# KiCad board FrontEnd_5G.kicad_pcb
title: FrontEnd_5G; date: 2022-03-03; rev: 1v0; company: Lime Microsystems
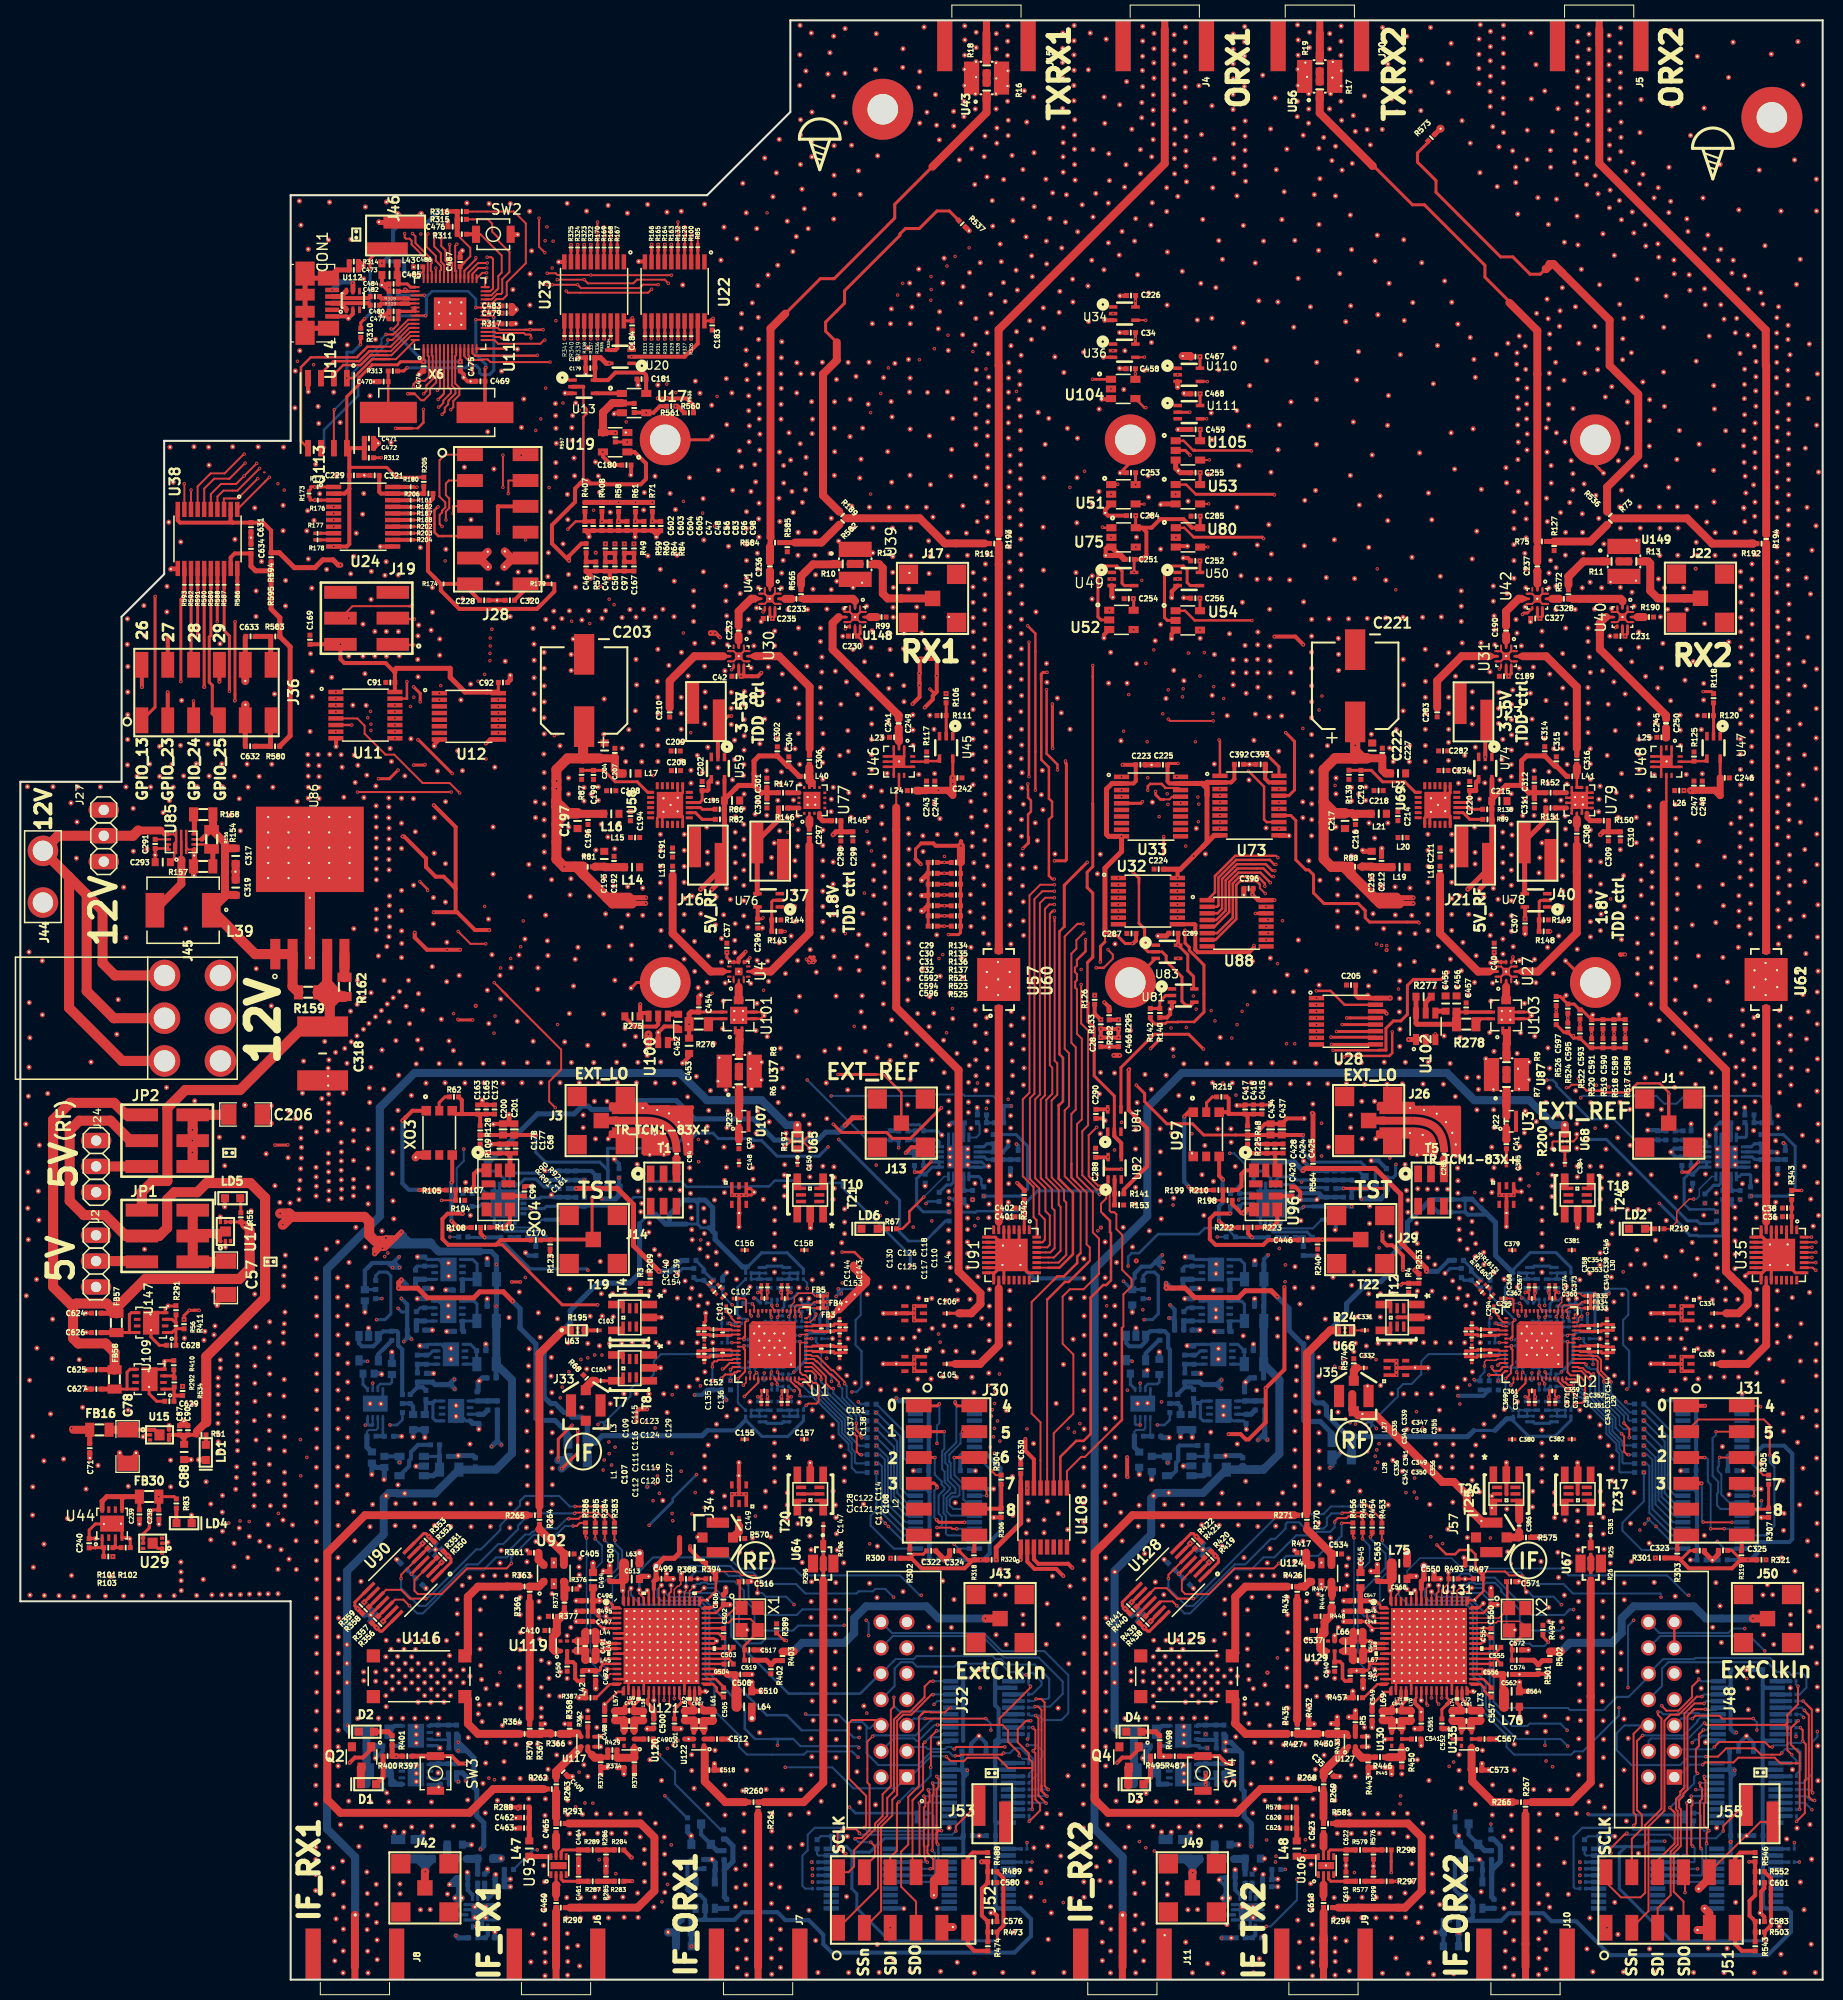
[diagram p0: board, top side]
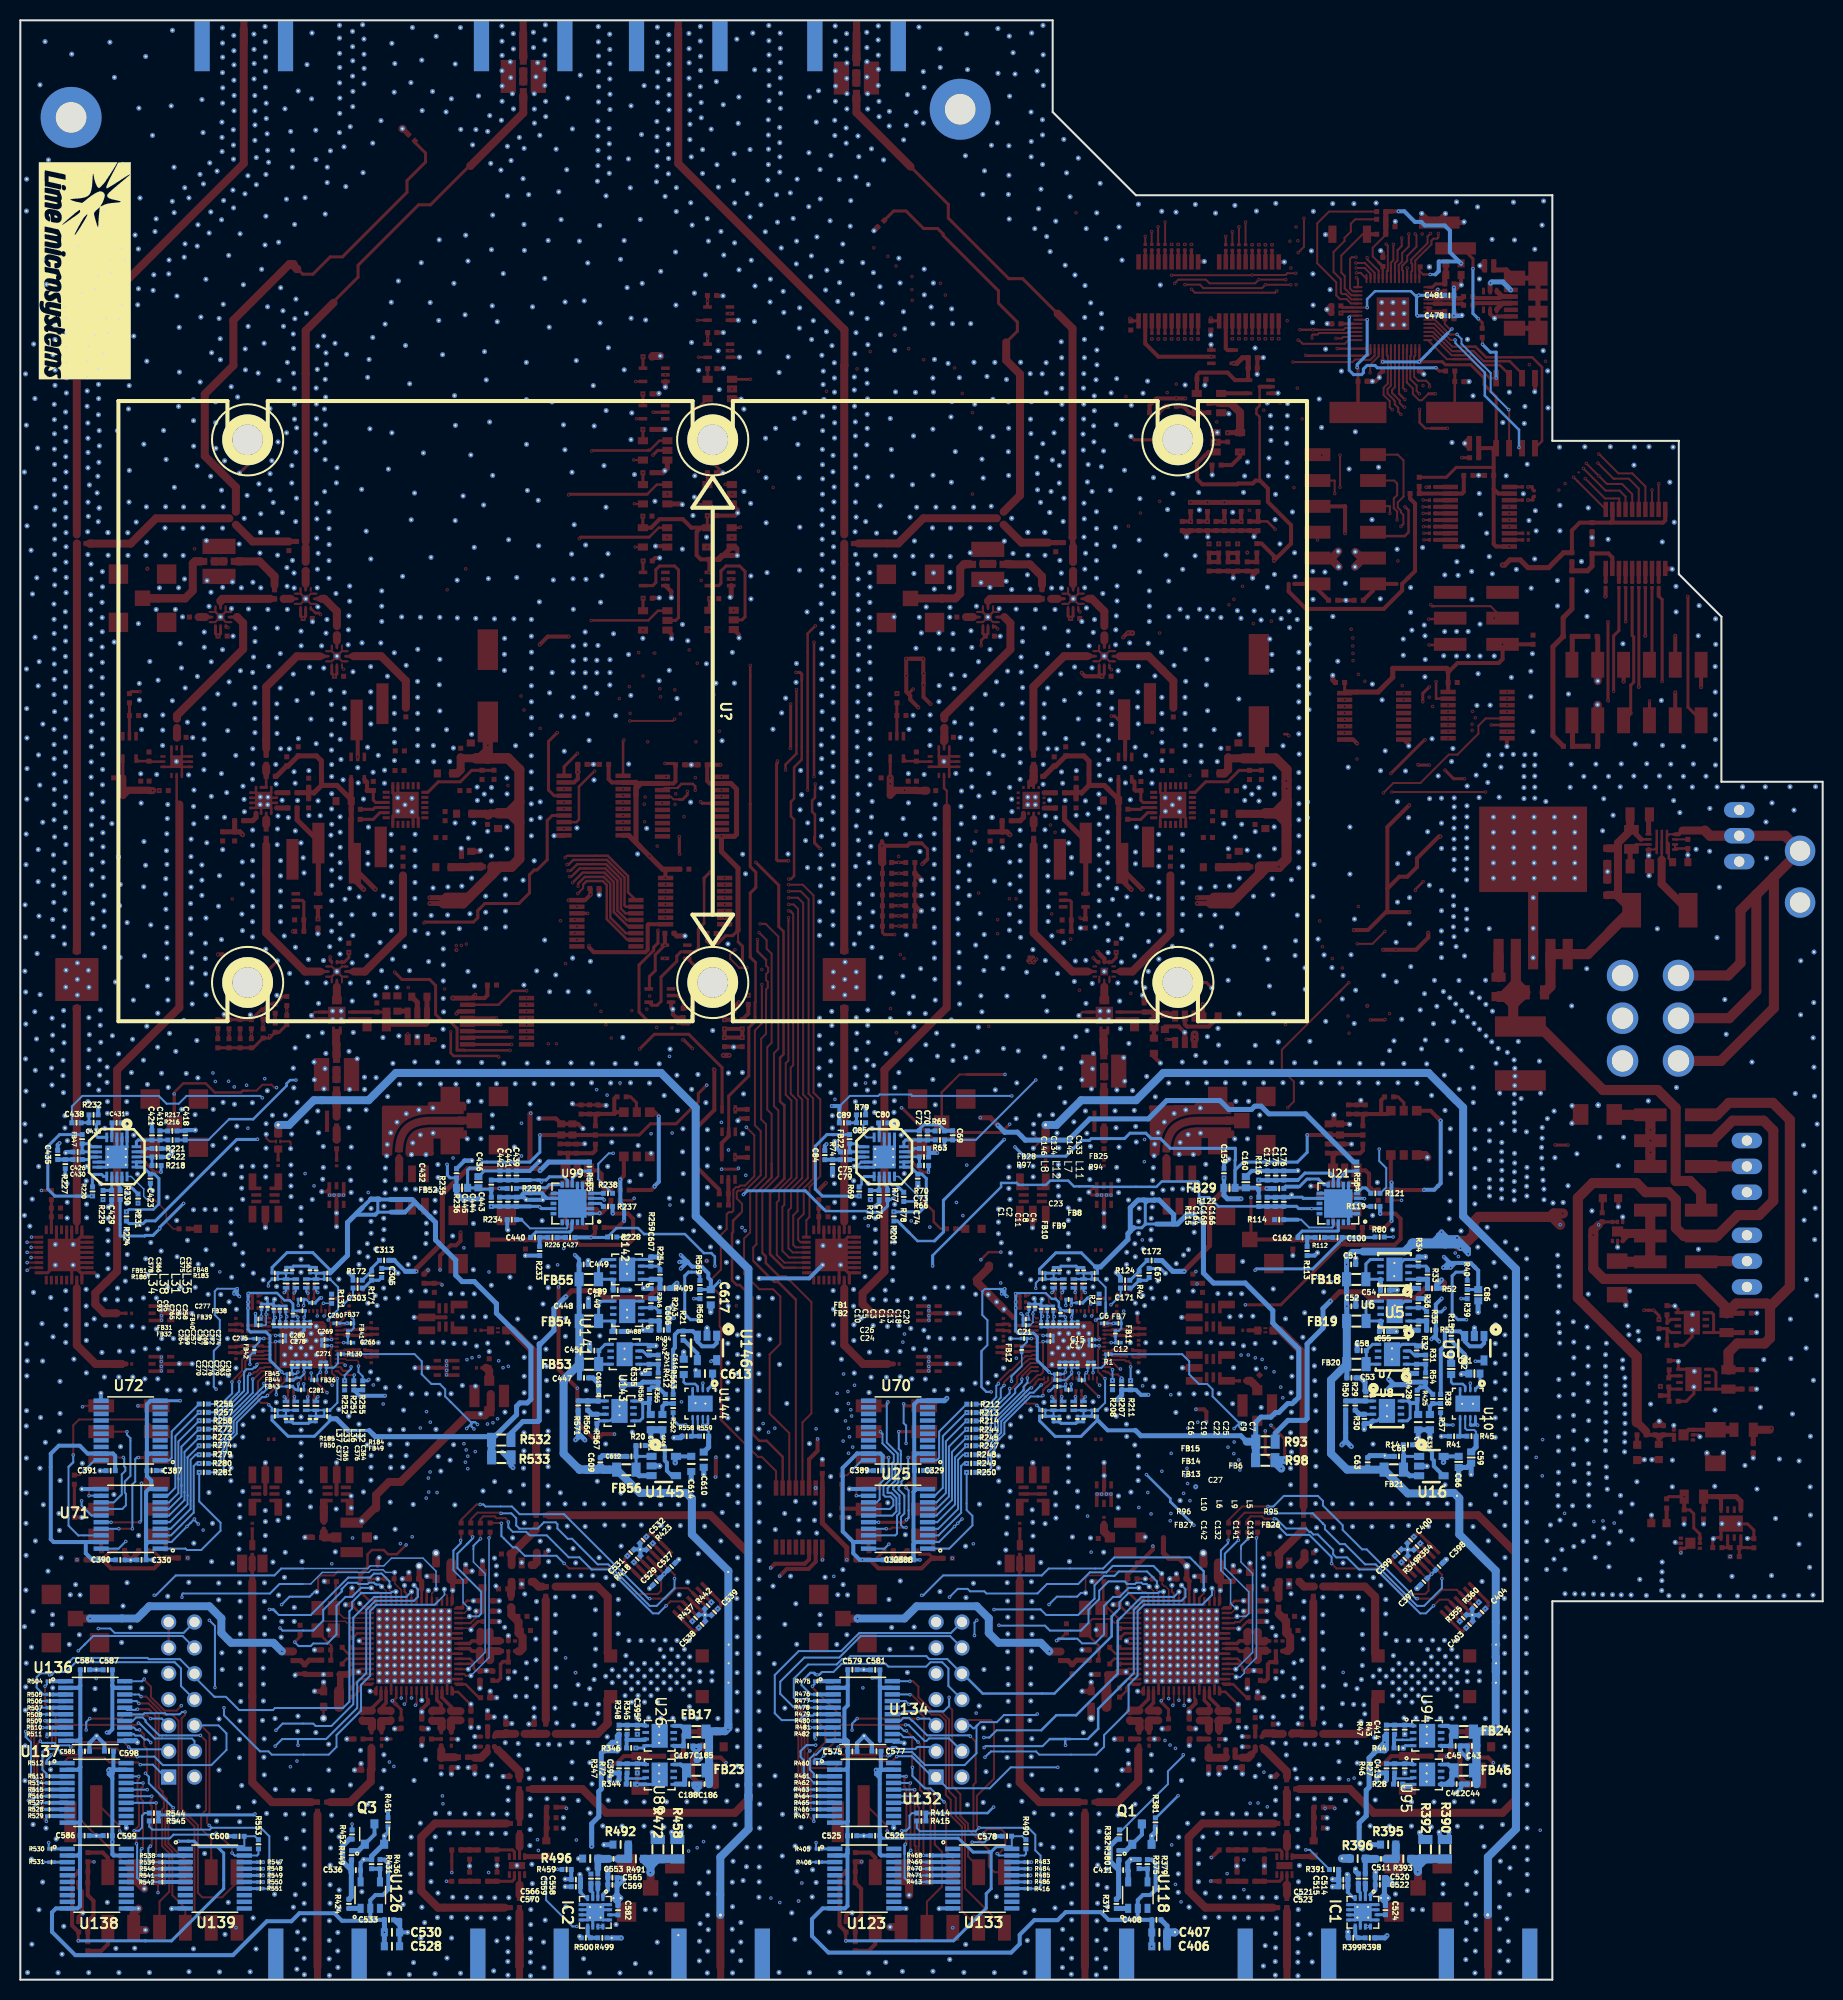
[diagram p1: board, bottom side, seen from below]

Outline 177.17 x 192.58 mm; copper layers: F.RO, B.RO, F.FR4, B.FR4, F2.RO, B2.RO (plane). Coordinates in mm from the lower left corner of the outline.
Outline path: 0,117.74 0,37.19 26.57,37.19 26.57,0 177.17,0 177.17,192.58 75.69,192.58 75.69,183.57 67.51,175.39 26.57,175.39 26.57,151.25 14.14,151.25 14.14,138.15 9.95,133.96 9.95,117.74 0,117.74

## Placement (name value [footprint] x y rotation side)
C1  1UF_0201_TDK_X5R  [SMD0201]  78.02 66.13 90 bottom
C2  1UF_0201_TDK_X5R  [SMD0201]  77.42 66.13 90 bottom
C3  1UF_0201_TDK_X5R  [SMD0201]  75.62 64.43 270 bottom
C4  1NF_0201  [SMD0201]  75.62 65.93 90 bottom
C5  1UF_0201_TDK_X5R  [SMD0201]  76.22 64.43 270 bottom
C6  1UF_0201_TDK_X5R  [SMD0201]  70.63 64.51 0 bottom
C7  1UF_0201_TDK_X5R  [SMD0201]  71.63 60.43 90 bottom
C8  1NF_0201  [SMD0201]  76.22 65.93 90 bottom
C9  1UF_0201_TDK_X5R  [SMD0201]  72.23 60.43 90 bottom
C10  1NF_0201  [SMD0201]  76.82 64.43 270 bottom
C11  1UF_0201_TDK_X5R  [SMD0201]  76.82 65.93 90 bottom
C12  1UF_0201_TDK_X5R  [SMD0201]  69.23 62.61 180 bottom
C13  1UF_0201_TDK_X5R  [SMD0201]  74.42 64.43 270 bottom
C14  1NF_0201  [SMD0201]  75.02 64.43 270 bottom
C15  1UF_0201_TDK_X5R  [SMD0201]  71.83 62.91 0 bottom
C16  1UF_0201_TDK_X5R  [SMD0201]  75.03 60.43 90 bottom
C17  1UF_0201_TDK_X5R  [SMD0201]  71.83 62.31 0 bottom
C18  1UF_0201_TDK_X5R  [SMD0201]  73.82 64.43 270 bottom
C19  1NF_0201  [SMD0201]  74.43 60.43 90 bottom
C20  1NF_0201  [SMD0201]  73.22 64.43 270 bottom
C21  1UF_0201_TDK_X5R  [SMD0201]  78.5 63.01 0 bottom
C22  1UF_0201_TDK_X5R  [SMD0201]  73.83 60.43 90 bottom
C23  1UF_0201_TDK_X5R  [SMD0201]  74.13 66.85 0 bottom
C24  1UF_0201_TDK_X5R  [SMD0201]  75.92 62.73 180 bottom
C25  1NF_0201  [SMD0201]  73.23 60.43 90 bottom
C26  1UF_0201_TDK_X5R  [SMD0201]  75.92 63.33 180 bottom
C27  1UF_0201_TDK_X5R  [SMD0201]  74.14 57.97 180 bottom
C28  10nF_0402  [SMD0402]  106.21 92.15 90 top
C29  10nF_0402  [SMD0402]  89.69 109.81 0 top
C30  10nF_0402  [SMD0402]  89.69 108.74 0 top
C31  10nF_0402  [SMD0402]  89.69 107.67 0 top
C32  10nF_0402  [SMD0402]  89.69 106.61 0 top
C33  10UF_0603  [SMD0603#2]  38.61 54.8 270 bottom
C34  10nF_0402  [SMD0402]  109.16 161.89 0 top
C35  NF_10pF_0402_GJM1555C1H100GB01D  [SMD0402]  128.79 20.35 135 top
C36  470pF_0402_GRM1555C1H471JA01D  [SMD0402]  173.67 74.99 180 top
C37  10nF_0402  [SMD0402]  69.45 101.42 270 top
C38  47nF_0402_GCM155R71H473KE02D  [SMD0402]  173.67 75.84 180 top
C39  5pF_0402_CBR04C509C5GAC  [SMD0402]  70.64 82.12 90 top
C40  10nF_0402  [SMD0402]  144.89 101.43 270 top
C41  5pF_0402_CBR04C509C5GAC  [SMD0402]  146.08 82.12 90 top
C42  10nF_0402  [SMD0402]  70.4 128.11 0 top
C43  1UF_0402  [SMD0402]  34.48 22.97 0 bottom
C44  1UF_0402  [SMD0402]  34.48 19.22 0 bottom
C45  1UF_0402  [SMD0402]  36.08 22.97 180 bottom
C46  1nF_0402  [SMD0402]  55.62 138.9 270 top
C47  1nF_0402  [SMD0402]  58.81 142.88 270 top
C48  10nF_0402  [SMD0402]  59.64 142.88 270 top
C49  1nF_0402  [SMD0402]  57.51 138.9 270 top
C50  10nF_0402  [SMD0402]  58.45 138.9 270 top
C51  1UF_0402  [SMD0402]  46.35 70.3 180 bottom
C52  1UF_0402  [SMD0402]  46.33 66.19 180 bottom
C53  1UF_0402  [SMD0402]  46.32 59.15 180 bottom
C54  1UF_0402  [SMD0402]  43.01 67.76 180 bottom
C55  1UF_0402  [SMD0402]  43.12 63.72 180 bottom
C56  1nF_0402  [SMD0402]  60.47 142.88 270 top
C57  10UF_1206  [SMD1206]  20.2 68.98 270 top
C58  1UF_0402  [SMD0402]  45.31 61.83 0 bottom
C59  1UF_0603  [SMD0603]  34.55 51.32 90 bottom
C60  4.7UF_0402  [SMD0402]  44.9 57.33 90 bottom
C61  4.7UF_0402  [SMD0402]  39.92 60.04 270 bottom
C62  4.7UF_0402  [SMD0402]  39.73 68.39 270 bottom
C63  1UF_0402  [SMD0402]  44.72 50.85 90 bottom
C64  4.7UF_0402  [SMD0402]  39.75 64.29 270 bottom
C65  1UF_0402  [SMD0402]  41.65 51.43 0 bottom
C66  10UF_0603  [SMD0603]  35.78 50.89 270 bottom
C67  100NF_0402  [SMD0402]  66.21 69.46 90 bottom
C68  1NF_0402  [SMD0402]  48.69 81.69 90 top
C69  1.2NF_0402  [SMD0402]  85.52 82.99 90 bottom
C70  470NF_0402  [SMD0402]  88.01 82.98 90 bottom
C71  100nF_0402_GRM155R71C104KA88J  [SMD0402]  6.82 52.24 270 top
C72  68NF_0402  [SMD0402]  88.79 82.98 90 bottom
C73  100NF_0402  [SMD0402]  88.34 80.86 0 bottom
C74  100NF_0402  [SMD0402]  88.95 78.73 90 bottom
C75  100NF_0402  [SMD0402]  96.1 81.35 0 bottom
C76  10PF_0402  [SMD0402]  92.75 77.12 270 bottom
C77  10UF_0603  [SMD0603#2]  39.76 54.8 270 bottom
C78  10UF_1206  [SMD1206]  10.54 52.4 270 top
C79  100NF_0402  [SMD0402]  96.1 80.6 180 bottom
C80  220PF_0402  [SMD0402]  92.35 84.21 180 bottom
C81  10UF_0603  [SMD0603]  34.23 59.57 0 bottom
C82  1UF_0603  [SMD0603]  36.52 60.03 270 bottom
C83  10nF_0402  [SMD0402]  61.3 142.88 270 top
C84  100NF_0402  [SMD0402]  98.09 81.05 270 bottom
C85  100NF_0402  [SMD0402]  94.53 84.23 180 bottom
C86  10UF_0603  [SMD0603]  33.86 67.27 270 bottom
C87  100nF_0402_GRM155R71C104KA88J  [SMD0402]  15.65 54 90 top
C88  10uF_0603_GRM188R61E106KA73J  [SMD0603#2]  16.1 51.87 270 top
C89  100NF_0402  [SMD0402]  96.21 84.22 180 bottom
C90  1uF_0402_CC0402ZRY5V5BB105  [SMD0402]  16.47 54 90 top
C91  10nF_0402  [SMD0402]  36.37 127.5 180 top
C92  10nF_0402  [SMD0402]  47.44 127.5 0 top
C93  1UF_0201_TDK_X5R  [SMD0201]  153.47 66.13 90 bottom
C94  10PF_0201  [SMD0201]  64.51 81.18 270 top
C95  1UF_0201_TDK_X5R  [SMD0201]  152.87 66.13 90 bottom
C96  1nF_0402  [SMD0402]  62.13 142.88 270 top
C97  1nF_0402  [SMD0402]  59.37 138.9 270 top
C98  10nF_0402  [SMD0402]  62.95 142.88 270 top
C99  18NF_0402  [SMD0402]  49.56 77.47 90 top
C100  100NF_0402  [SMD0402]  47.69 72.95 180 bottom
C101  10PF_0201  [SMD0201]  69.39 65.95 270 top
C102  10PF_0201  [SMD0201]  70.35 66.95 0 top
C103  10pF_0201_GJM0335C1E100JB01D  [SMD0201]  56.73 63.82 0 top
C104  10pF_0201_GJM0335C1E100JB01D  [SMD0201]  57.05 58.86 0 top
C105  2.3pF_0201_GJM0335C1E2R3BB01D  [SMD0201]  91.06 60.52 180 top
C106  2.3pF_0201_GJM0335C1E2R3BB01D  [SMD0201]  91.07 65.49 180 top
C107  C_NF  [SMD0201]  67.23 61.51 270 top
C108  C_NF  [SMD0201]  80.54 61.91 90 top
C109  C_NF  [SMD0201]  67.23 63.71 270 top
C110  C_NF  [SMD0201]  80.54 64.11 90 top
C111  C_NF  [SMD0201]  67.23 62.11 270 top
C112  C_NF  [SMD0201]  67.23 60.91 270 top
C113  0.9pF_0201_GJM0335C1ER90BB01D  [SMD0201]  80.54 61.31 90 top
C114  0.9pF_0201_GJM0335C1ER90BB01D  [SMD0201]  80.54 62.51 90 top
C115  C_NF  [SMD0201]  67.23 64.31 270 top
C116  C_NF  [SMD0201]  67.23 63.11 270 top
C117  0.9pF_0201_GJM0335C1ER90BB01D  [SMD0201]  80.54 63.51 90 top
C118  0.9pF_0201_GJM0335C1ER90BB01D  [SMD0201]  80.53 64.72 90 top
C119  2.3pF_0201_GJM0335C1E2R3BB01D  [SMD0201]  68.13 61.91 0 top
C120  2.3pF_0201_GJM0335C1E2R3BB01D  [SMD0201]  68.13 61.31 0 top
C121  0.5pF_0201_GJM0335C1ER50BB01D  [SMD0201]  79.64 61.71 180 top
C122  0.5pF_0201_GJM0335C1ER50BB01D  [SMD0201]  79.64 62.31 180 top
C123  2.3pF_0201_GJM0335C1E2R3BB01D  [SMD0201]  68.13 63.91 0 top
C124  2.3pF_0201_GJM0335C1E2R3BB01D  [SMD0201]  68.13 63.31 0 top
C125  0.5pF_0201_GJM0335C1ER50BB01D  [SMD0201]  79.63 63.71 180 top
C126  0.5pF_0201_GJM0335C1ER50BB01D  [SMD0201]  79.63 64.31 180 top
C127  0.6pF_0201_GJM0335C1ER60BB01D  [SMD0201]  69.03 61.61 270 top
C128  C_NF  [SMD0201]  78.74 62.01 90 top
C129  0.6pF_0201_GJM0335C1ER60BB01D  [SMD0201]  69.03 63.61 270 top
C130  C_NF  [SMD0201]  78.74 64.01 90 top
C131  1UF_0201_TDK_X5R  [SMD0201]  72.66 55.1 270 bottom
C132  1UF_0201_TDK_X5R  [SMD0201]  75.02 55.1 270 bottom
C133  1UF_0201_TDK_X5R  [SMD0201]  72.65 69.72 90 bottom
C134  1UF_0201_TDK_X5R  [SMD0201]  75.01 69.72 90 bottom
C135  10pF_0201_GJM0335C1E100JB01D  [SMD0201]  72.85 56.78 270 top
C136  10pF_0201_GJM0335C1E100JB01D  [SMD0201]  73.43 56.78 270 top
C137  10pF_0201_GJM0335C1E100JB01D  [SMD0201]  74.83 56.78 270 top
C138  10pF_0201_GJM0335C1E100JB01D  [SMD0201]  75.43 56.78 270 top
C139  10pF_0201_GJM0335C1E100JB01D  [SMD0201]  73.44 68.04 90 top
C140  10pF_0201_GJM0335C1E100JB01D  [SMD0201]  72.84 68.04 90 top
C141  1NF_0201  [SMD0201]  73.26 55.1 270 bottom
C142  1NF_0201  [SMD0201]  75.62 55.1 270 bottom
C143  10pF_0201_GJM0335C1E100JB01D  [SMD0201]  75.42 68.04 90 top
C144  10pF_0201_GJM0335C1E100JB01D  [SMD0201]  74.83 68.05 90 top
C145  1NF_0201  [SMD0201]  73.25 69.72 90 bottom
C146  1NF_0201  [SMD0201]  75.61 69.72 90 bottom
C147  10pF_0201_GJM0335C1E100JB01D  [SMD0201]  78.93 44.58 270 top
C148  10pF_0201_GJM0335C1E100JB01D  [SMD0201]  70.64 80.27 90 top
C149  10pF_0201_GJM0335C1E100JB01D  [SMD0201]  70.65 45.16 270 top
C150  10pF_0201_GJM0335C1E100JB01D  [SMD0201]  76.39 80.29 90 top
C151  C_NF  [SMD0201]  75.13 57.87 0 top
C152  C  [SMD0201]  73.13 57.88 0 top
C153  C_NF  [SMD0201]  75.14 66.95 180 top
C154  C_NF  [SMD0201]  73.14 66.95 180 top
C155  1.9nH_0201_LQP03TN1N9B02D  [SMD0201]  71.2 53.11 0 top
C156  1.9nH_0201_LQP03TN1N9B02D  [SMD0201]  71.21 71.71 180 top
C157  C_NF  [SMD0201]  77.06 53.11 0 top
C158  C_NF  [SMD0201]  77.06 71.71 180 top
C159  100NF_0402  [SMD0402]  58.85 79.26 270 bottom
C160  10UF_0603  [SMD0603]  56.7 78.38 90 bottom
C161  0.4PF_0201  [SMD0201]  69.17 67.18 45 top
C162  100NF_0402  [SMD0402]  51.13 72.95 180 bottom
C163  1NF_0402  [SMD0402]  44.96 85.53 90 top
C164  100NF_0402  [SMD0402]  54.62 76.45 90 bottom
C165  10NF_0402  [SMD0402]  45.78 85.53 270 top
C166  1NF_0402  [SMD0402]  52.97 76.46 270 bottom
C167  10nF_0402  [SMD0402]  60.32 138.9 270 top
C168  10NF_0402  [SMD0402]  53.8 76.45 90 bottom
C169  10nF_0402  [SMD0402]  28.47 131.7 90 top
C170  100NF_0402  [SMD0402]  50.67 72.7 180 top
C171  100NF_0402  [SMD0402]  68.57 67.98 0 bottom
C172  100NF_0402  [SMD0402]  65.96 70.69 0 bottom
C173  100NF_0402  [SMD0402]  46.61 85.53 270 top
C174  1NF_0402  [SMD0402]  54.58 79.04 270 bottom
C175  10NF_0402  [SMD0402]  53.76 79.03 90 bottom
C176  100NF_0402  [SMD0402]  52.97 79.04 90 bottom
C177  10NF_0402  [SMD0402]  47.89 81.68 270 top
C178  100NF_0402  [SMD0402]  47.09 81.68 270 top
C179  10nF_0402  [SMD0402]  56.03 158.4 180 top
C180  10nF_0402  [SMD0402]  59.58 148.87 0 top
C181  10nF_0402  [SMD0402]  61.06 157.32 180 top
C182  10nF_0402  [SMD0402]  56.02 159.42 180 top
C183  10nF_0402  [SMD0402]  68.01 162.59 270 top
C184  10nF_0402  [SMD0402]  60.14 162.59 270 top
C185  1UF_0402  [SMD0402]  109.92 22.97 0 bottom
C186  1UF_0402  [SMD0402]  109.92 19.22 0 bottom
C187  1UF_0402  [SMD0402]  111.52 22.97 180 bottom
C188  1UF_0402  [SMD0402]  111.42 19.22 180 bottom
C189  10nF_0402  [SMD0402]  145.84 128.11 0 top
C190  5pF_0402_CBR04C509C5GAC  [SMD0402]  146.05 132.59 90 top
C191  5.6pF_0402_04023J5R6BBWTR  [SMD0402]  64.11 110.78 90 top
C192  1nF_0402  [SMD0402]  58.36 109.96 270 top
C193  10nF_0603_C0603C103J5RAC  [SMD0603#2]  57.4 110.15 270 top
C194  5.6pF_0402_04023J5R6BBWTR  [SMD0402]  59.97 114.36 270 top
C195  1uF_0603  [SMD0603#2]  69.96 115.9 0 top
C196  1nF_0402  [SMD0402]  55.8 113.99 270 top
C197  1uF_0603  [SMD0603#2]  54.78 113.89 270 top
C198  5.6pF_0402_04023J5R6BBWTR  [SMD0402]  58.08 116.86 180 top
C199  470pF_0402_GRM1555C1H471JA01D  [SMD0402]  56.34 118.41 90 top
C200  10UF_0603  [SMD0603]  47.45 83.57 90 top
C201  10UF_0603  [SMD0603]  48.56 83.57 90 top
C202  1nF_0402  [SMD0402]  67.02 117.32 90 top
C203  100uF_63V_Electrolytic_Panasonic  [EEE-FK1J101P]  55.42 126.71 0 top
C204  4.7uF_0603  [SMD0603#2]  57.43 120.81 90 top
C205  10nF_0402  [SMD0402]  130.81 97.76 180 top
C206  10UF_1206  [SMD1206]  22.14 85.04 0 top
C207  1nF_0402  [SMD0402]  58.44 120.58 90 top
C208  2pF_0402_GRM1555C2A2R0CA01D  [SMD0402]  64.45 118.84 0 top
C209  0.6pF_0402_GRM1555C2AR60BA01D  [SMD0402]  64.42 120.77 0 top
C210  5.6pF_0402_04023J5R6BBWTR  [SMD0402]  63.83 124.56 90 top
C211  5.6pF_0402_04023J5R6BBWTR  [SMD0402]  139.56 110.78 90 top
C212  1nF_0402  [SMD0402]  133.81 109.97 270 top
C213  10nF_0603_C0603C103J5RAC  [SMD0603#2]  132.84 110.16 270 top
C214  5.6pF_0402_04023J5R6BBWTR  [SMD0402]  135.42 114.37 270 top
C215  1uF_0603  [SMD0603#2]  145.39 115.84 0 top
C216  1nF_0402  [SMD0402]  131.25 114 270 top
C217  1uF_0603  [SMD0603#2]  130.22 113.9 270 top
C218  5.6pF_0402_04023J5R6BBWTR  [SMD0402]  133.52 116.88 180 top
C219  470pF_0402_GRM1555C1H471JA01D  [SMD0402]  131.78 118.42 90 top
C220  1nF_0402  [SMD0402]  142.47 117.33 90 top
C221  100uF_63V_Electrolytic_Panasonic  [EEE-FK1J101P]  131.22 127.18 0 top
C222  4.7uF_0603  [SMD0603#2]  132.89 120.8 90 top
C223  10nF_0402  [SMD0402]  110.1 119.41 0 top
C224  10nF_0402  [SMD0402]  111.9 109.15 180 top
C225  10nF_0402  [SMD0402]  112.32 119.41 180 top
C226  10nF_0402  [SMD0402]  109.18 165.53 0 top
C227  1nF_0402  [SMD0402]  133.89 120.59 90 top
C228  1uF_0402  [SMD0402]  45.6 135.58 0 top
C229  10nF_0402  [SMD0402]  32.79 147.85 0 top
C230  10nF_0402  [SMD0402]  81.85 132.06 0 top
C231  10nF_0402  [SMD0402]  157.29 132.06 0 top
C232  5pF_0402_CBR04C509C5GAC  [SMD0402]  70.61 132.59 90 top
C233  5pF_0402_CBR04C509C5GAC  [SMD0402]  76.29 135.72 180 top
C234  2pF_0402_GRM1555C2A2R0CA01D  [SMD0402]  139.9 118.84 0 top
C235  10nF_0402  [SMD0402]  73.48 133.79 0 top
C236  5pF_0402_CBR04C509C5GAC  [SMD0402]  73.68 138.9 90 top
C237  5pF_0402_CBR04C509C5GAC  [SMD0402]  149.12 138.9 90 top
C238  1UF_0402  [SMD0402]  13.62 45.73 270 top
C239  1UF_0402  [SMD0402]  11.7 45.73 270 top
C240  4.7UF_0402  [SMD0402]  6.77 42.9 90 top
C241  5pF_0402_CBR04C509C5GAC  [SMD0402]  86.34 123.48 270 top
C242  10nF_0402  [SMD0402]  92.11 118.12 180 top
C243  10pF_0402  [SMD0402]  89.08 117.35 90 top
C244  100nF_0402_GRM155R71C104KA88J  [SMD0402]  89.89 117.35 90 top
C245  5pF_0402_CBR04C509C5GAC  [SMD0402]  161.78 123.49 270 top
C246  10nF_0402  [SMD0402]  167.55 118.12 180 top
C247  10pF_0402  [SMD0402]  164.52 117.36 90 top
C248  100nF_0402_GRM155R71C104KA88J  [SMD0402]  165.34 117.36 90 top
C249  NF_1000pF_0402_GCM155R71H102KA37D  [SMD0402]  86.34 123.48 90 top
C250  NF_1000pF_0402_GCM155R71H102KA37D  [SMD0402]  161.77 123.49 90 top
C251  10nF_0402  [SMD0402]  109.05 139.6 0 top
C252  10nF_0402  [SMD0402]  115.5 139.45 0 top
C253  10nF_0402  [SMD0402]  109.18 148.12 0 top
C254  10nF_0402  [SMD0402]  108.96 135.74 0 top
C255  10nF_0402  [SMD0402]  115.52 148.12 0 top
C256  10nF_0402  [SMD0402]  115.5 135.78 0 top
C257  1UF_0201_TDK_X5R  [SMD0201]  151.07 64.43 270 bottom
C258  1NF_0201  [SMD0201]  151.07 65.93 90 bottom
C259  1UF_0201_TDK_X5R  [SMD0201]  151.67 64.43 270 bottom
C260  1UF_0201_TDK_X5R  [SMD0201]  146.08 64.51 0 bottom
C261  1UF_0201_TDK_X5R  [SMD0201]  147.08 60.43 90 bottom
C262  1NF_0201  [SMD0201]  151.67 65.93 90 bottom
C263  1UF_0201_TDK_X5R  [SMD0201]  147.68 60.43 90 bottom
C264  1NF_0201  [SMD0201]  152.27 64.43 270 bottom
C265  1UF_0201_TDK_X5R  [SMD0201]  152.27 65.93 90 bottom
C266  1UF_0201_TDK_X5R  [SMD0201]  144.68 62.61 180 bottom
C267  1UF_0201_TDK_X5R  [SMD0201]  150.47 64.43 270 bottom
C268  1NF_0201  [SMD0201]  149.87 64.43 270 bottom
C269  1UF_0201_TDK_X5R  [SMD0201]  147.28 62.91 0 bottom
C270  1UF_0201_TDK_X5R  [SMD0201]  150.48 60.43 90 bottom
C271  1UF_0201_TDK_X5R  [SMD0201]  147.28 62.31 0 bottom
C272  1UF_0201_TDK_X5R  [SMD0201]  149.27 64.43 270 bottom
C273  1NF_0201  [SMD0201]  149.88 60.43 90 bottom
C274  1NF_0201  [SMD0201]  148.67 64.43 270 bottom
C275  1UF_0201_TDK_X5R  [SMD0201]  153.95 63 0 bottom
C276  1UF_0201_TDK_X5R  [SMD0201]  149.28 60.43 90 bottom
C277  1UF_0201_TDK_X5R  [SMD0201]  149.58 66.86 0 bottom
C278  1UF_0201_TDK_X5R  [SMD0201]  151.37 62.73 180 bottom
C279  1NF_0201  [SMD0201]  148.68 60.43 90 bottom
C280  1UF_0201_TDK_X5R  [SMD0201]  151.37 63.33 180 bottom
C281  1UF_0201_TDK_X5R  [SMD0201]  149.58 57.97 180 bottom
C282  0.6pF_0402_GRM1555C2AR60BA01D  [SMD0402]  139.87 120.78 0 top
C283  5.6pF_0402_04023J5R6BBWTR  [SMD0402]  139.28 124.56 90 top
C284  10nF_0402  [SMD0402]  109.19 143.9 0 top
C285  10nF_0402  [SMD0402]  115.53 143.85 0 top
C286  10PF_0201  [SMD0201]  139.95 81.18 270 top
C287  10nF_0402  [SMD0402]  109.22 102.83 0 top
C288  10nF_0402  [SMD0402]  105.7 81.27 270 top
C289  10nF_0402  [SMD0402]  113.36 102.85 0 top
C290  10nF_0402  [SMD0402]  105.72 85.09 90 top
C291  2.2nF_0402_GRM155R71E222KA01D  [SMD0402]  13.25 111.63 270 top
C292  0.4PF_0201  [SMD0201]  144.62 67.18 45 top
C293  10uF_0603_GRM188R61E106KA73J  [SMD0603#2]  14 109.84 0 top
C294  10PF_0201  [SMD0201]  144.84 65.95 270 top
C295  10PF_0201  [SMD0201]  145.8 66.95 0 top
C296  10nF_0402  [SMD0402]  72.48 103.81 90 top
C297  18pF_0402_GRM1555C1H180JA01D  [SMD0402]  77.56 112.63 270 top
C298  100pF_0402_GRM1555C1H101JA01D  [SMD0402]  80.66 112.37 90 top
C299  1uF_0402_CC0402ZRY5V5BB105  [SMD0402]  81.84 112.37 90 top
C300  100pF_0402_GRM1555C1H101JA01D  [SMD0402]  73.39 115.62 270 top
C301  100pF_0402_GRM1555C1H101JA01D  [SMD0402]  73.38 117.64 270 top
C302  1uF_0402_CC0402ZRY5V5BB105  [SMD0402]  74.41 120.73 270 top
C303  100NF_0402  [SMD0402]  144.02 67.98 0 bottom
C304  100pF_0402_GRM1555C1H101JA01D  [SMD0402]  75.54 119.74 270 top
C305  100NF_0402  [SMD0402]  141.65 69.46 90 bottom
C306  18pF_0402_GRM1555C1H180JA01D  [SMD0402]  77.56 119.9 270 top
C307  10nF_0402  [SMD0402]  147.92 103.81 90 top
C308  18pF_0402_GRM1555C1H180JA01D  [SMD0402]  153 112.64 270 top
C309  100pF_0402_GRM1555C1H101JA01D  [SMD0402]  156.11 112.38 90 top
C310  1uF_0402_CC0402ZRY5V5BB105  [SMD0402]  157.28 112.38 90 top
C311  100pF_0402_GRM1555C1H101JA01D  [SMD0402]  148.84 115.62 270 top
C312  100pF_0402_GRM1555C1H101JA01D  [SMD0402]  148.83 117.65 270 top
C313  100NF_0402  [SMD0402]  141.41 70.7 0 bottom
C314  1uF_0402_CC0402ZRY5V5BB105  [SMD0402]  149.86 120.74 270 top
C315  100pF_0402_GRM1555C1H101JA01D  [SMD0402]  150.99 119.75 270 top
C316  18pF_0402_GRM1555C1H180JA01D  [SMD0402]  153 119.91 270 top
C317  10uF_0603_GRM188R61E106KA73J  [SMD0603#2]  21.17 110.45 90 top
C318  47uF_2220_CGA9N3X7R1E476M230KB  [SMD2220]  29.71 91.03 270 top
C319  10uF_0603_GRM188R61E106KA73J  [SMD0603#2]  21.17 107.34 270 top